# Allegro board BeagleBone_Black_RevC.brd (continued)
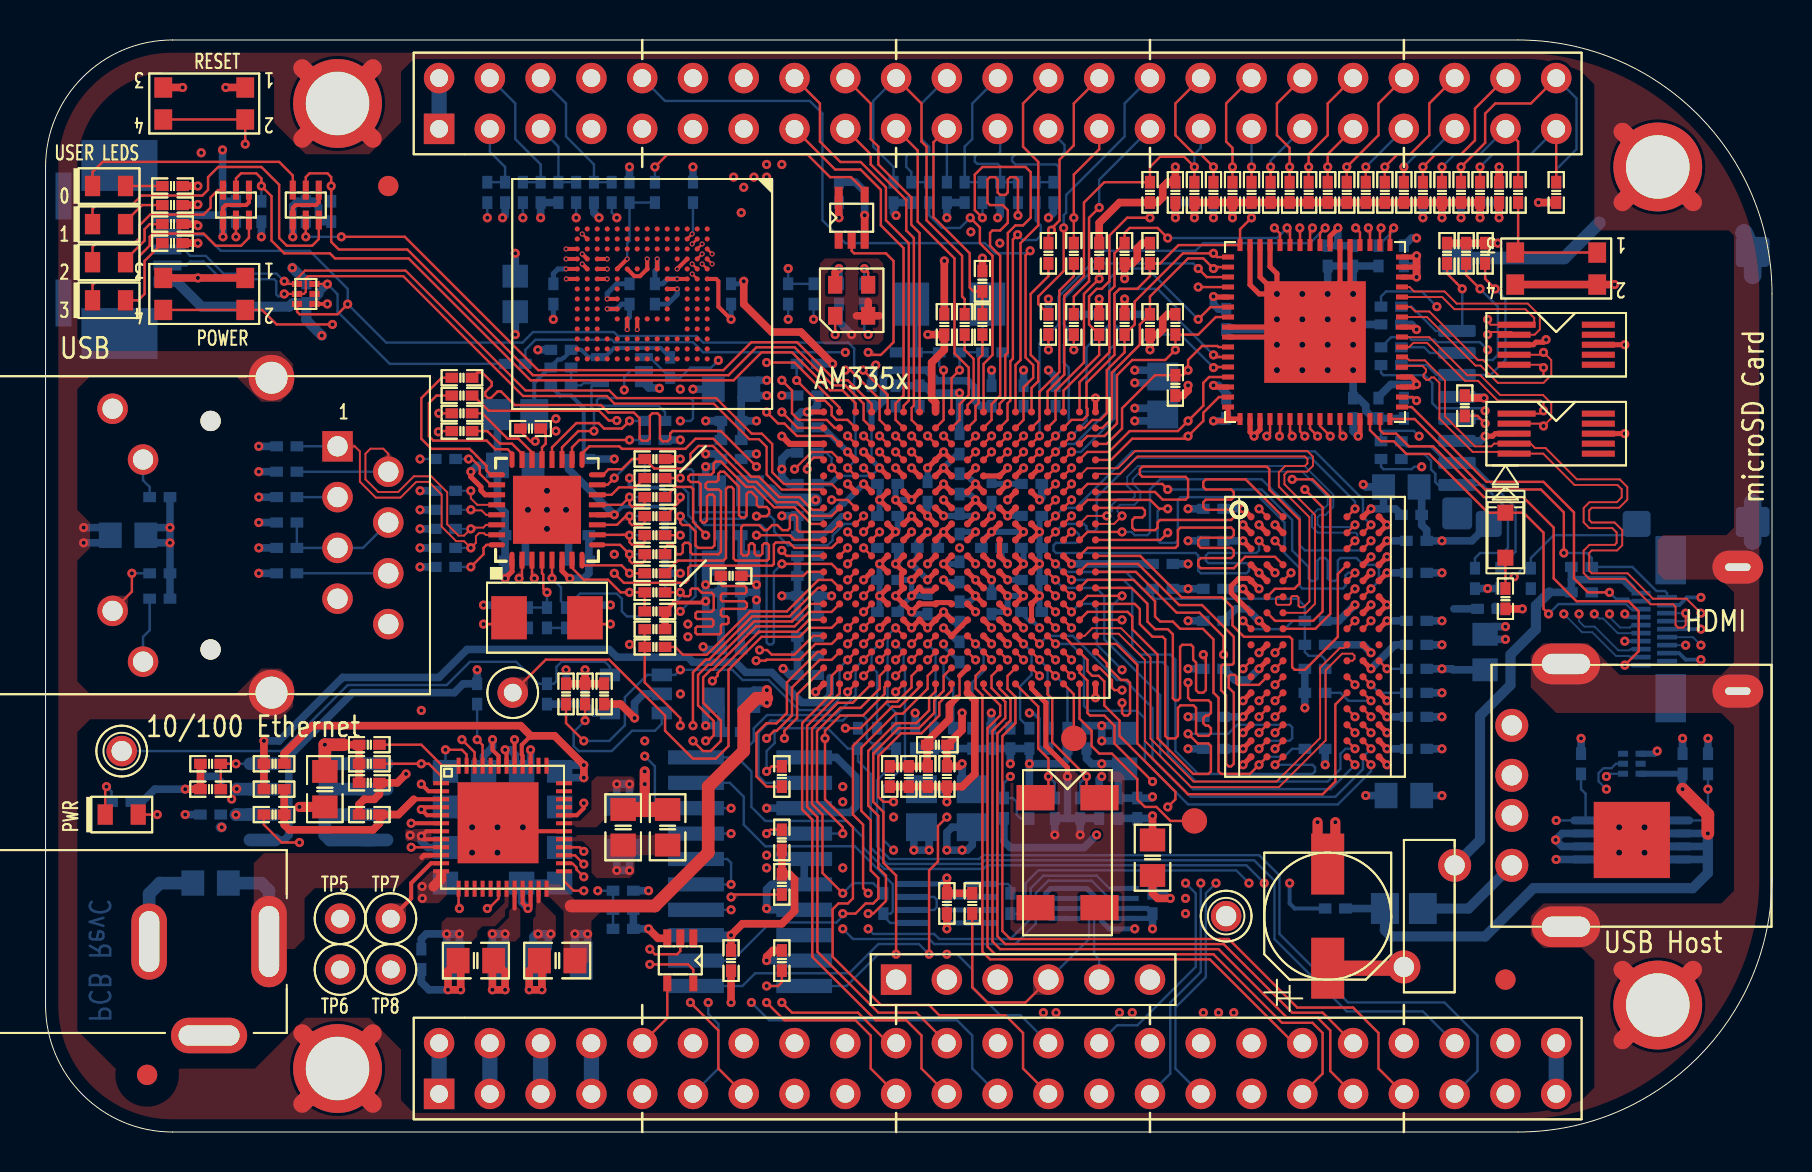
[diagram p0: board, top side]
## Routing (per net, layer and track width the routed paths; a pad name or vN(x,y) marks a point on that pad's centre or on a via; arc(x,y) is an arc through that point) (continued)
LCD_DATA3: length 44.2
  TOP w0.121: v1(58.42,38.86) 58.53,38.76 U11.11 ; v1(50.52,34.01) U5.R4 ; P8.44 71.5,51.18 71.5,49.59 70.8,48.9 69.53,48.9 v1(68.9,48.26) R92.1
  LYR3 w0.133: v1(68.9,48.26) 68.9,47.31 68.33,46.74 68.33,45.59 69.09,44.83 69.09,43.56 68.71,43.18 67.82,43.18 65.91,41.27 60.83,41.27 v1(58.42,38.86)
  BOTTOM w0.121: v1(50.52,34.01) 50.92,34.41 51.49,34.41 53.21,36.14 53.21,39.12 C170.1 53.47,40.39 53.47,41.91 53.72,42.16 55.63,42.16 56.64,41.15 56.64,40.64 v1(58.42,38.86) ; v1(68.9,48.26) R92.1
LCD_DATA4: length 32
  TOP w0.121: U11.10 58.67,39.25 58.62,39.31 57.85,39.31 57.15,38.61 v1(57.15,38.1) 56.9,37.85 C169.1 55.5,37.85 53.85,36.2 53.85,35.18 53.08,34.41 U5.T1 ; R91.1 v1(67.94,48.26)
  LYR3 w0.133: v1(57.15,38.1) 57.15,38.35 61.21,42.42 66.04,42.42 68.08,44.46 68.08,47.62 67.94,47.76 v1(67.94,48.26)
  BOTTOM w0.121: P8.41 69.22,48.9 68.58,48.9 v1(67.94,48.26) R91.1
LCD_DATA5: length 37.2
  TOP w0.121: P8.42 69.22,51.44 69.22,49.85 68.26,48.9 67.63,48.9 v1(66.99,48.26) R90.1 ; U5.T2 52.12,34.81 52.97,34.81 53.59,35.43 53.59,37.85 54.36,38.61 56.01,38.61 v1(56.52,39.12) C163.1 57.66,39.88 58.54,40.76 U11.7
  LYR3 w0.133: v1(66.99,48.26) 66.99,47.82 67.84,46.96 67.84,44.73 66.04,42.93 61.21,42.93 57.4,39.12 v1(56.52,39.12)
  BOTTOM w0.121: v1(66.99,48.26) R90.1
LCD_DATA6: length 34.1
  TOP w0.121: U11.6 58.27,41.25 v1(57.66,40.64) ; R89.1 v1(66.04,48.26) ; v1(51.32,34.81) U5.T3
  LYR3 w0.133: v1(57.66,40.64) 58.42,40.64 60.96,43.18 63.88,43.18 65.09,44.39 65.09,47.31 v1(66.04,48.26)
  BOTTOM w0.121: P8.39 v1(66.04,48.26) R89.1 ; v1(51.32,34.81) 52.07,35.56 52.07,39.24 C162.1 53.21,40.39 53.21,42.67 53.72,43.18 55.12,43.18 v1(57.66,40.64)
LCD_DATA7: length 43.4
  TOP w0.121: R88.1 v1(65.09,48.26) 66.67,49.85 66.67,51.44 P8.40 ; v1(50.52,34.81) U5.T4 ; v1(57.66,43.18) 58.08,42.76 U11.3
  LYR3 w0.133: v1(57.66,43.18) 57.02,43.81 57.02,48.51 57.53,49.02 58.17,49.02 58.93,49.78 58.93,50.67 59.82,51.56 66.8,51.56 P8.40
  BOTTOM w0.121: v1(57.66,43.18) 57.4,43.43 52.7,43.43 50.93,41.66 50.93,40.39 C161.1 50.93,39.37 50.93,38.48 51.18,38.23 51.18,35.47 v1(50.52,34.81) ; v1(65.09,48.26) R88.1
LCD_DATA8: length 31.9
  TOP w0.121: P8.37 64.14,48.9 v1(64.14,48.26) R87.1 ; U11.2 58.49,43.25 v1(58.42,43.18) 57.91,43.69 57.15,43.69 55.24,41.78 C160.1 54.74,40.39 54.74,39.37 53.34,37.97 53.34,35.69 52.86,35.21 U5.U1
  LYR3 w0.133: v1(58.42,43.18) 57.91,43.69 57.91,48.39 59.18,49.66 59.18,50.55 59.94,51.31 64.26,51.31 P8.37
  BOTTOM w0.121: v1(64.14,48.26) R87.1
LCD_DATA9: length 30.2
  TOP w0.121: U5.U2 51.96,35.21 52.36,35.61 52.75,35.61 53.09,35.94 53.09,38.1 53.98,38.99 C157.1 54.48,40.39 54.48,41.53 56.9,43.94 v1(58.42,43.94) 58.61,43.76 U11.1 ; P8.38 64.14,51.44 64.14,49.85 63.18,48.9 v1(63.18,48.26) R86.1
  LYR3 w0.133: v1(58.42,43.94) 58.93,44.45 58.93,48.51 59.56,49.15 62.36,49.15 63.18,48.32 v1(63.18,48.26)
  BOTTOM w0.121: v1(63.18,48.26) R86.1
LCD_DATA10: length 30
  TOP w0.121: v1(60.33,45.72) 59.75,45.14 U11.64 56.67,44.36 55.75,43.43 C156.1 55.24,42.8 54.61,42.16 53.72,42.16 53.47,41.91 53.47,38.86 52.07,37.47 52.07,36.22 52.12,36.17 52.12,35.85 51.88,35.61 51.32,35.61 U5.U3 ; P8.36 61.59,51.44 61.59,49.85 62.23,49.21 v1(62.23,48.26) R85.1
  LYR3 w0.133: v1(62.23,48.26) 61.59,48.9 61.01,48.9 61.01,48.9 60.2,48.9 59.82,48.51 59.82,47.88 60.33,47.37 v1(60.33,45.72)
  BOTTOM w0.121: v1(62.23,48.26) R85.1
LCD_DATA11: length 32.4
  TOP w0.121: U11.60 61.75,44.93 v1(61.47,45.21) ; U5.U4 50.52,35.61 50.52,37.06 51.94,38.48 51.94,41.91 v1(52.7,42.67) C168.1 ; P8.34 59.05,51.44 59.05,49.53 59.37,49.21 v1(59.37,48.26) R84.1
  LYR3 w0.133: v1(52.7,42.67) 53.21,43.18 56.9,43.18 57.4,42.67 59.82,42.67 61.47,44.32 v1(61.47,45.21) 60.07,45.21 59.82,45.47 59.82,47.12 59.37,47.56 v1(59.37,48.26)
  BOTTOM w0.121: v1(59.37,48.26) R84.1
LCD_DATA12: length 26.9
  TOP w0.121: U11.59 62.25,45.06 v1(62.1,45.21) ; U5.V2 51.72,37.5 53.21,38.99 53.21,42.04 53.47,42.29 53.47,43.94 C167.1 53.98,44.96 54.23,45.21 55.63,45.21 v1(56.13,44.7) ; R83.1 v1(61.28,48.26)
  LYR3 w0.133: v1(62.1,45.21) 61.28,46.04 v1(61.28,48.26)
  BOTTOM w0.121: v1(56.13,44.7) 61.59,44.7 v1(62.1,45.21) ; R83.1 v1(61.28,48.26) 61.28,48.58 P8.35
LCD_DATA13: length 30.4
  TOP w0.121: v1(62.74,45.21) 62.75,45.2 U11.58 ; R82.1 v1(60.33,48.26) ; v1(55.24,45.72) 54.1,45.72 53.21,44.83 53.21,42.55 52.83,42.16 52.58,42.16 52.2,41.78 52.2,40.39 C166.1 52.7,38.86 50.92,37.08 U5.V3
  LYR3 w0.133: v1(62.74,45.21) 61.72,46.23 61.72,48.39 61.45,48.67 61.11,48.67 61.1,48.66 60.73,48.66 v1(60.33,48.26)
  LYR4 w0.133: v1(55.24,45.72) 55.75,46.23 61.72,46.23 v1(62.74,45.21)
  BOTTOM w0.121: P8.33 v1(60.33,48.26) R82.1
LCD_DATA14: length 42
  TOP w0.121: R81.1 v1(57.47,48.26) 56.96,48.77 55.75,48.77 55.24,48.26 C165.1 52.96,47.5 51.94,46.48 51.94,42.8 50.96,41.82 50.96,37.88 50.12,37.04 U5.V4 ; U11.57 63.25,45.05 v1(63.37,45.21)
  LYR4 w0.133: v1(57.47,48.26) 58.1,48.9 66.17,48.9 66.55,48.51 66.55,47.75 68.08,46.22 68.08,44.84 67.44,44.2 64.39,44.2 v1(63.37,45.21)
  BOTTOM w0.121: P8.31 57.78,49.21 57.47,48.9 v1(57.47,48.26) R81.1
LCD_DATA15: length 46.8
  TOP w0.121: U11.56 63.75,44.95 v1(64.01,45.21) ; v1(49.72,34.81) U5.T5 ; P8.32 56.52,51.44 56.52,49.85 57.47,48.9 57.78,48.9 v1(58.42,48.26) R80.1
  LYR4 w0.133: v1(64.01,45.21) 64.77,44.45 67.31,44.45 67.84,44.98 67.84,45.82 65.91,47.75 58.93,47.75 v1(58.42,48.26)
  BOTTOM w0.121: v1(49.72,34.81) 49.72,39.43 C164.1 50.67,40.39 50.67,41.78 52.96,44.07 57.53,44.07 57.91,44.45 63.25,44.45 v1(64.01,45.21) ; v1(58.42,48.26) R80.1
LCD_DE: length 31.5
  TOP w0.121: v1(50.93,45.21) 50.93,43.05 49.66,41.78 49.66,41.4 R48.2 ; v1(61.09,34.8) 61.25,34.96 U11.20
  LYR4 w0.133: v1(61.09,34.8) 59.18,36.7 59.18,39.69 57.6,41.27 57.02,41.27 53.47,44.83 51.31,44.83 v1(50.93,45.21)
  BOTTOM w0.121: 55.24,52.7 53.98,51.44 53.98,49.78 51.05,46.86 51.05,45.97 50.93,45.85 v1(50.93,45.21)
LCD_HSYNC: length 28.4
  TOP w0.121: v1(52.7,46.23) 52.2,45.72 52.2,42.55 51.44,41.78 R47.2 ; v1(62.36,34.8) 62.25,34.9 U11.22
  LYR4 w0.133: v1(62.36,34.8) 60.2,36.96 60.2,40.77 58.23,42.74 57.09,42.74 53.59,46.23 v1(52.7,46.23)
  BOTTOM w0.121: v1(52.7,46.23) 52.7,47.62 55.24,50.16
LCD_PCLK: length 20.3
  TOP w0.121: v1(57.66,42.25) U11.4 ; R45.2 50.16,44.96 50.3,45.1 v1(50.32,45.1) 50.32,45.18 50.72,45.58 50.72,48.62 51.44,49.34 51.44,51.44 P8.28
  LYR4 w0.133: v1(57.66,42.25) 57.06,42.25 53.72,45.59 52.32,45.59 51.69,46.23 51.31,46.23 50.52,45.44 50.52,45.37 50.32,45.17 v1(50.32,45.1)
LCD_VSYNC: length 23.6
  TOP w0.121: U11.21 61.75,34.83 v1(61.72,34.8) ; P8.27 52.7,49.15 51.44,47.88 v1(51.44,45.72) R46.2
  LYR4 w0.133: v1(51.44,45.72) 51.94,45.21 53.59,45.21 57.15,41.66 57.78,41.66 59.69,39.75 59.69,36.83 v1(61.72,34.8)
LCDDE: length 6.9
  TOP w0.121: v1(48.92,34.01) U5.R6 ; R48.1 v1(50.16,39.12)
  LYR3 w0.121: 49.32,35.18 49.32,34.41 v1(48.92,34.01)
  LYR3 w0.133: 49.32,35.18 49.53,35.39 49.53,38.48 v1(50.16,39.12)
LCDPCLK: length 8.1
  TOP w0.121: R45.1 50.16,42.8 49.28,41.91 49.28,38.86 49.66,38.48 49.66,37.55 49.32,37.21 U5.V5
LCDVHYNC: length 7.1
  TOP w0.121: v1(49.72,34.01) U5.R5 ; v1(51.44,39.12) R47.1
  LYR3 w0.121: v1(49.72,34.01) 50.12,34.41 50.12,35.13
  LYR3 w0.133: v1(51.44,39.12) 51.44,36.45 50.12,35.13
LCDVSYNC: length 9.1
  TOP w0.121: U5.U5 49.72,35.61 49.72,37.02 50.71,38.01 50.71,42.08 51.44,42.8 R46.1
LDO_PGOOD: length 35.9
  TOP w0.121: U2.46 21.46,18.99 v1(20.83,19.62) ; U5.B5 v1(49.72,22.81)
  LYR3 w0.133: v1(49.72,22.81) 49.72,20.51 48.64,19.43 43.81,19.43 43.18,18.8 38.86,18.8 37.57,20.09 34.9,20.09 33.53,21.46 27.05,21.46 25.91,20.32 21.53,20.32 v1(20.83,19.62)
LEDAA: length 1.8
  TOP w0.121: R72.2 D2.2
LEDAC: length 11.9
  TOP w0.121: Q1.6 12.37,47.83 11.68,48.51 2.86,48.51 2.35,48.01 D2.1
LEDBA: length 2.3
  TOP w0.121: R73.2 4.83,46.35 4,45.53 D3.2
LEDBC: length 17.6
  TOP w0.121: Q1.3 13.67,44.66 13.34,44.32 12.06,44.32 11.68,44.7 11.68,47.37 10.79,48.26 8.64,48.26 8.13,47.75 8.13,47.12 7.84,46.83 4.79,46.83 4.32,46.35 2.54,46.35 2.35,46.16 D3.1
LEDCA: length 3
  TOP w0.121: D4.2 4,43.62 4.95,44.58 4.95,45.15 5.21,45.4 R74.2
LEDCC: length 9.1
  TOP w0.121: D4.1 2.35,44.26 2.54,44.45 4.45,44.45 4.7,44.7 4.7,45.34 5.24,45.88 7.91,45.88 8.26,46.23 8.26,46.74 8.62,47.11 Q2.6
LEDDA: length 4
  TOP w0.121: D5.2 4.64,41.59 4.95,41.91 4.95,43.56 R71.2
LEDDC: length 11.8
  TOP w0.121: Q2.3 10.17,44.72 9.78,44.32 8.51,44.32 7.91,44.93 5.37,44.93 5.21,44.77 5.21,44.32 4.7,43.81 4.7,42.8 4.45,42.55 2.54,42.55 2.35,42.35 D5.1
MDIO_CLK: length 14.3
  TOP w0.121: U5.M18 38.82,31.11 38.35,31.11 37.72,31.75 36.7,31.75 35.69,32.77 35.31,32.77 33.4,34.67 32.51,34.67 32,34.16 28.83,34.16 28.7,34.29 27.2,34.29 26.83,33.92 U14.17
MDIO_DATA: length 15
  TOP w0.121: U14.16 27.89,32.87 28.17,33.15 28.83,33.15 29.34,33.66 R119.2 30.45,33.18 31.97,33.18 32.26,33.46 32.26,33.91 32.66,34.31 33.38,34.31 35.18,32.51 35.56,32.51 36.58,31.5 37.59,31.5 38.28,30.81 39.32,30.81 U5.M17
MII1_COL: length 24.2
  TOP w0.121: v1(40.12,27.61) U5.H16
  LYR3 w0.133: v1(40.12,27.61) 39.79,27.94 32.64,27.94 32.51,27.81 32.51,26.67 32.38,26.54 29.84,26.54 29.72,26.42 29.72,25.27 29.84,25.15 30.86,25.15 30.99,25.27 30.99,25.91 31.11,26.04 v1(31.75,26.04)
  BOTTOM w0.121: R138.1 31.43,32.26 31.84,32.26 32.15,31.95 32.15,30.84 32.51,30.48 32.51,26.8 v1(31.75,26.04)
MII1_CRS_DV: length 25.6
  TOP w0.121: R139.1 v1(31.75,32.7) ; U5.H17 39.32,28.41 v1(36.83,28.41)
  BOTTOM w0.121: v1(31.75,32.7) 31.75,33.05 31.85,33.15 32.3,33.15 32.4,33.05 32.4,31.09 32.5,30.99 34.95,30.99 35.05,30.89 35.05,30.77 34.95,30.67 32.96,30.67 32.86,30.57 32.86,30.45 32.96,30.35 35.81,30.35 36.07,30.1 36.07,24.49 36.17,24.38 36.33,24.38 36.43,24.49 36.43,28.01 v1(36.83,28.41)
MII1_REFCLK: length 18
  TOP w0.121: R124.1 v1(31.75,26.99) 31.94,26.8 32.18,26.8 32.26,26.87 32.26,27.1 32.33,27.18 32.62,27.18 32.83,26.97 33.32,26.97 33.42,26.87 33.42,26.12 33.32,26.02 32.59,26.02 32.51,25.94 32.51,25.73 32.59,25.65 33.32,25.65 33.4,25.58 33.4,25.35 33.32,25.27 32.59,25.27 32.51,25.2 32.51,24.97 32.59,24.89 33.71,24.89 33.78,24.97 33.78,25.32 33.86,25.4 34.09,25.4 34.16,25.48 34.16,25.7 34.09,25.78 33.86,25.78 33.78,25.86 33.78,26.09 33.86,26.16 34.98,26.16 35.08,26.27 35.08,26.44 34.98,26.54 33.86,26.54 33.78,26.62 33.78,26.85 33.86,26.92 34.98,26.92 35.05,27 35.05,27.23 34.98,27.3 33.86,27.3 33.78,27.38 R28.2
  BOTTOM w0.121: v1(31.75,26.99) 31.75,26.73 31.05,26.04 R140.1
MII1_RXCLK: length 23.8
  TOP w0.121: U5.L18 38.3,30.41 37.47,31.24 36.45,31.24 35.43,32.26 35.05,32.26 33.78,33.53 33.53,33.53 33.42,33.42 33.42,33 33.29,32.87 32.26,32.87 32.15,32.77 32.15,32.63 32.28,32.51 32.66,32.51 32.77,32.4 32.77,30.58 32.87,30.48 32.98,30.48 33.08,30.58 33.08,31.78 33.19,31.88 33.36,31.88 33.46,31.78 33.46,29.34 33.34,29.21 32.64,29.21 32.51,29.34 32.51,30.04 32.19,30.35 31.85,30.35 31.75,30.45 v1(31.75,30.8)
  BOTTOM w0.121: v1(31.75,30.8) 32.26,30.29 32.26,27.81 31.88,27.43 31.11,27.43 30.99,27.3 R131.1
MII1_RXD0: length 24.3
  TOP w0.121: v1(39.32,31.61) 40.12,31.61 U5.M16 ; v1(31.75,31.75) 31.75,31.56 R128.1
  LYR3 w0.133: v1(39.32,31.61) 38.91,32.02 32.64,32.02 32.36,32.3 31.37,32.3 31.24,32.42 31.24,33.02 31.37,33.15 32.28,33.15 32.38,33.25 32.38,34.06 32.28,34.16 31.37,34.16 31.24,34.29 31.24,34.92 31.37,35.05 32.28,35.05 32.38,35.15 32.38,35.97 32.28,36.07 30.96,36.07 30.86,35.97 30.86,31.85 30.96,31.75 v1(31.75,31.75)
MII1_RXD1: length 24.1
  TOP w0.121: U5.L15 v1(40.92,30.01) ; R127.1 v1(31.75,29.84)
  LYR3 w0.121: 39.75,29.61 40.52,29.61 v1(40.92,30.01)
  LYR3 w0.133: 39.75,29.61 38.82,29.61 37.19,31.24 35.26,31.24 35.15,31.14 35.15,30.68 35.08,30.61 34.9,30.61 34.8,30.71 34.8,31.14 34.7,31.24 34.52,31.24 34.42,31.14 34.42,30.71 34.32,30.61 34.14,30.61 34.04,30.71 34.04,31.14 33.93,31.24 33.76,31.24 33.66,31.14 33.66,30.71 33.55,30.61 33.38,30.61 33.27,30.71 33.27,31.14 33.17,31.24 32.99,31.24 32.89,31.14 32.89,30.86 32.26,30.23 32.26,29.72 31.88,29.34 30.1,29.34 29.62,29.82 29.62,31.88 29.74,32 29.97,32 30.1,31.88 30.1,30.23 30.23,30.1 31.5,30.1 v1(31.75,29.84)
MII1_RXD2: length 24.1
  TOP w0.121: v1(35.56,30.8) 36.07,30.8 36.2,30.92 36.2,31.13 36.07,31.26 35.68,31.26 35.58,31.36 35.58,31.74 35.31,32.01 35.17,32.01 35.07,31.91 35.07,30.85 34.96,30.73 34.8,30.73 34.69,30.85 34.69,32.27 33.94,33.02 33.76,33.02 33.66,32.92 33.66,32.61 33.55,32.51 33.12,32.51 33.02,32.41 33.02,32.23 33.12,32.13 33.68,32.13 33.78,32.03 33.78,29.02 33.66,28.89 32.36,28.89 32.26,28.99 32.26,29.36 32.16,29.46 31.98,29.46 31.88,29.36 31.88,28.99 31.78,28.89 31.6,28.89 31.5,28.99 31.5,29.24 31.39,29.34 31.09,29.34 30.99,29.24 R126.1 ; U5.L16 v1(40.92,30.81)
  BOTTOM w0.121: v1(35.56,30.8) 36.26,30.8 36.45,30.61 36.45,30.03 37.14,29.34 39.12,29.34 39.37,29.59 39.37,29.83 39.95,30.41 U5.L16 v1(40.92,30.81)
MII1_RXD3: length 24.4
  TOP w0.121: U5.L17 39.32,30.01 37.69,30.01 37.59,30.11 37.59,30.76 37.49,30.86 37.31,30.86 37.23,30.78 37.23,30.2 37.13,30.1 36.86,30.1 36.6,30.35 36.35,30.35 36.09,30.1 35.94,30.1 35.69,30.35 34.9,30.35 34.8,30.25 34.8,28.93 34.9,28.83 35.08,28.83 35.18,28.93 35.18,29.34 35.28,29.45 35.36,29.45 35.47,29.34 35.47,28.93 35.57,28.83 35.76,28.83 35.86,28.93 35.86,29.34 35.96,29.45 36.09,29.45 36.18,29.36 36.18,28.66 36.09,28.57 34.52,28.57 34.42,28.68 34.42,32.16 34.32,32.26 34.14,32.26 34.04,32.16 34.04,28.7 33.91,28.57 31.62,28.57 R125.1
MII1_RXDV: length 25.8
  TOP w0.121: U5.J17 v1(40.12,29.21)
  LYR3 w0.133: v1(18.73,33.66) 19.86,32.52 21.58,32.52 24.77,29.34 29.59,29.34 29.84,29.08 32,29.08 32.61,29.69 32.61,30.07 32.89,30.35 37.59,30.35 38.73,29.21 v1(40.12,29.21)
  BOTTOM w0.121: v1(18.73,33.66) R129.1
MII1_RXERR: length 24.3
  TOP w0.121: U5.J15 v1(40.92,29.21) ; v1(33.02,29.84) 33.02,29.88 32.39,30.51 32.39,32.16 32.29,32.26 31.5,32.26 R133.1
  LYR3 w0.121: v1(40.92,29.21) 40.52,28.81 39.86,28.81
  LYR3 w0.133: v1(33.02,29.84) 33.02,28.57 33.15,28.45 33.55,28.45 33.66,28.55 33.66,30 33.76,30.1 33.93,30.1 34.04,30 34.04,28.55 34.14,28.45 34.44,28.45 34.54,28.55 34.54,30 34.65,30.1 34.82,30.1 34.92,30 34.92,28.55 35.03,28.45 35.2,28.45 35.31,28.55 35.31,29.24 35.41,29.34 35.59,29.34 35.69,29.24 35.69,28.55 35.79,28.45 35.94,28.45 36.07,28.57 36.07,29.87 36.17,29.97 37.47,29.97 37.57,29.87 37.57,28.96 37.72,28.81 39.86,28.81
MII1_TXCLK: length 22.4
  TOP w0.121: v1(35.56,29.84) 37.23,29.84 37.47,29.61 U5.K18
  LYR5_PWR w0.121: v1(35.56,29.84) 36.07,30.35 36.07,32.13 33.4,34.8 32.51,34.8 v1(31.75,35.56)
  BOTTOM w0.121: R134.1 30.99,36 30.67,36.32 27.69,36.32 27.58,36.43 27.58,36.6 27.69,36.7 32.26,36.7 32.38,36.58 32.38,35.68 32.26,35.56 v1(31.75,35.56)
MII1_TXD0: length 28
  TOP w0.121: U5.K17 39.32,29.21 37.47,29.21 37.19,29.48 36.53,29.48 36.43,29.38 36.43,28.4 36.35,28.32 32.26,28.32 32.15,28.21 32.15,27.61 32,27.46 28.92,27.46 v1(28.45,27.94) ; R39.1 v1(19.67,35.94)
  LYR4 w0.133: v1(19.67,35.94) 20.95,35.94 22.35,34.54 22.35,31.62 25.53,28.45 27.94,28.45 v1(28.45,27.94)
MII1_TXD1: length 28
  TOP w0.121: v1(40.12,30.01) U5.K16 ; R40.1 19.68,35.05 v1(19.65,35.02)
  LYR3 w0.133: v1(40.12,30.01) 38.82,30.01 37.34,31.5 32.64,31.5 32.16,31.01 32.16,30.63 31.92,30.39 30.48,30.39 30.35,30.52 30.35,32.98 30.23,33.11 27.27,33.11 27.14,33.24 27.14,33.39 27,33.53 26.74,33.53 26.6,33.39 26.6,33.24 26.47,33.11 26.2,33.11 26.07,33.24 26.07,33.39 25.94,33.53 25.67,33.53 25.54,33.39 25.54,33.24 25.4,33.11 25.14,33.11 25,33.24 25,33.39 24.87,33.53 24.6,33.53 24.47,33.39 24.47,33.24 24.34,33.11 23.79,33.11 21.84,35.05 20.07,35.05 20.03,35.02 v1(19.65,35.02)
MII1_TXD2: length 28.2
  TOP w0.121: v1(28.57,35.58) 28.18,35.58 27.69,36.07 22.16,36.07 21.4,36.83 R41.1 ; U5.K15 v1(41.72,30.01)
  LYR3 w0.121: v1(41.72,30.01) 41.72,30.01 41.32,30.41 39.88,30.41
  LYR3 w0.133: 39.88,30.41 38.93,30.41 37.59,31.75 32.51,31.75 32.03,31.27 30.71,31.27 30.61,31.37 30.61,36.32 30.48,36.45 28.71,36.45 28.57,36.32 v1(28.57,35.58)
MII1_TXD3: length 28
  TOP w0.121: R42.1 21.59,37.97 21.84,37.97 22.32,37.5 22.32,37.33 22,37 22,36.83 22.12,36.71 22.29,36.71 22.61,37.03 22.78,37.03 23.46,36.35 27.78,36.35 28.16,35.98 29.43,35.98 29.72,35.69 29.72,34.69 29.84,34.57 30.11,34.57 30.23,34.69 30.23,35.81 30.35,35.94 30.61,35.94 30.73,35.81 30.73,34.67 30.86,34.54 31.11,34.54 31.24,34.67 31.24,34.93 31.36,35.05 33.78,35.05 v1(35.56,33.27) ; v1(36.83,29.08) 36.83,29.06 37.08,28.81 U5.J18
  LYR5_PWR w0.121: v1(36.83,29.08) 36.32,29.59 36.32,32.51 v1(35.56,33.27)
MII1_TXEN: length 28.4
  TOP w0.121: v1(24.49,34.54) 24.26,34.54 23.75,35.05 23.75,35.18 ; v1(40.12,28.41) U5.J16
  LYR3 w0.133: v1(28.45,28.89) 26.9,28.89 26.8,28.79 26.8,27.56 26.92,27.43 32.13,27.43 32.26,27.56 32.26,28.07 32.38,28.19 36.2,28.19 36.32,28.32 36.32,29.46 36.45,29.59 37.24,29.59 37.34,29.49 37.34,28.51 37.44,28.41 v1(40.12,28.41)
  LYR4 w0.133: v1(24.49,34.54) 24.9,34.54 26.92,32.52 26.92,30.42 v1(28.45,28.89)
MMC0_CD: length 73.7
  TOP w0.121: v1(40.92,23.61) U5.C15
  LYR4 w0.133: v1(73.46,27.77) 71.63,25.93 71.63,17.91 67.69,13.97 62.48,13.97 v1(60.96,12.45)
  BOTTOM w0.121: 34.61,18.73 35.31,18.03 35.31,16.26 36,15.56 40.07,15.56 40.89,14.73 40.89,14.22 41.96,13.16 46.91,13.16 47.09,13.34 60.07,13.34 v1(60.96,12.45) ; 34.61,18.73 35.42,19.55 35.42,20.18 36.09,20.85 39.53,20.85 40.52,21.84 40.52,23.21 v1(40.92,23.61) ; 34.61,18.73 P2.19 ; P10.10 79.43,30.41 78.87,29.84 75.44,29.84 74.3,28.7 R157.1 73.89,28.19 v1(73.46,27.77)
MMC0_CLKO: length 10.6
  TOP w0.121: R16.1 31.49,24.26 31.88,23.87 32.92,23.87 32.92,23.87 33.08,23.87 35.24,26.04 37.08,26.04 38.66,27.61 39.32,27.61 U5.G17
MMC0_CMD: length 83.3
  TOP w0.121: v1(32.38,20.32) 32.38,22.99 33.02,23.62 33.18,23.62 35.34,25.78 37.21,25.78 38.64,27.21 U5.G18
  LYR3 w0.133: v1(32.38,20.32) 31.98,19.91 31.98,19.33 34.04,17.27 38.61,17.27 39.37,18.03 44.96,18.03 45.21,17.78 46.61,17.78 48.39,16 53.34,16 54.25,15.09 65.95,15.09 68.9,18.03 68.9,26.48 68.45,26.92 68.45,31.75 66.93,33.27 66.93,35.69 67.33,36.09 71.61,36.09 71.62,36.07 v1(72.01,36.07)
  BOTTOM w0.121: v1(72.01,36.07) 71.88,36.2 69.62,36.2 69.37,36.45 69.37,37.45 68.97,37.85 66.92,37.85 66.8,37.97 R15.1
MMC0_DAT0: length 66.3
  TOP w0.121: v1(40.12,26.81) U5.G16
  LYR3 w0.133: v1(39.88,16.51) 40.39,17.02 45.85,17.02 48.51,14.35 66.74,14.35 70.99,18.61 70.99,32.51 v1(68.71,34.8)
  LYR4 w0.133: v1(39.88,16.51) 38.35,18.03 38.35,18.46 38.35,18.47 38.35,21.47 38.1,21.72 38.1,22.23 38.35,22.48 38.35,22.49 38.36,22.5 38.36,25.25 39.92,26.81 v1(40.12,26.81)
  BOTTOM w0.121: R31.1 66.8,34.93 66.94,35.07 68.44,35.07 v1(68.71,34.8)
MMC0_DAT1: length 63.3
  TOP w0.121: v1(40.92,26.81) U5.G15
  LYR3 w0.133: v1(39.88,17.27) 46.1,17.27 47.88,15.49 52.58,15.49 53.47,14.61 66.48,14.61 70.61,18.73 70.61,31.49 v1(68.83,33.27)
  LYR4 w0.121: v1(40.92,26.81) 40.52,26.41 39.95,26.41 39.74,26.19
  LYR4 w0.133: v1(39.88,17.27) 38.58,18.57 38.58,20.86 38.93,21.21 38.93,25.39 39.74,26.19
  BOTTOM w0.121: R32.1 66.8,33.27 66.92,33.15 68.34,33.15 68.46,33.27 v1(68.83,33.27)
MMC0_DAT2: length 79
  TOP w0.121: U5.F18 38.22,26.41 37.34,25.53 35.44,25.53 33.28,23.37 33.15,23.37 32.64,22.86 32.64,21.34 33.42,20.56 33.42,19.83 33.15,19.56 v1(33.02,19.56)
  LYR3 w0.133: v1(69.6,41.27) 69.6,40.26 66.17,36.83 66.17,32.89 67.69,31.37 67.69,26.54 68.26,25.97 68.26,18.41 66.1,16.26 63.12,16.26 62.48,15.62 56.19,15.62 55.56,16.26 54.36,16.26 53.85,16.76 48.64,16.76 46.23,19.18 44.07,19.18 43.43,18.54 34.04,18.54 v1(33.02,19.56)
  BOTTOM w0.121: v1(69.6,41.27) 68.83,42.04 67.06,42.04 66.8,41.78 R2.1
MMC0_DAT3: length 85.7
  TOP w0.121: U5.F17 39.32,26.01 38.19,26.01 37.47,25.29 35.55,25.29 33.37,23.11 33.27,23.11 32.89,22.73 32.89,21.46 33.78,20.57 33.78,19.56 33.27,19.05 32.89,19.05 v1(32.38,19.56)
  LYR3 w0.133: v1(32.38,19.56) 34.42,17.53 38.35,17.53 39.12,18.29 43.69,18.29 44.32,18.92 45.97,18.92 48.64,16.26 53.72,16.26 54.61,15.37 62.74,15.37 63.37,16 66.36,16 68.58,18.22 68.58,26.16 68.07,26.67 68.07,31.5 66.55,33.02 66.55,36.7 68.96,39.12 v1(72.14,39.12)
  BOTTOM w0.121: v1(72.14,39.12) 71.75,39.5 69.6,39.5 69.47,39.62 68.33,39.62 68.2,39.75 67.31,39.75 R13.1
MMC1_CLK: length 49.8
  TOP w0.121: P8.21 44.41,49.49 44.41,45.76 46.23,43.94 46.23,42.23 46.42,42.04 C175.1 R35.2
  TOP w0.203: U13.M6 v2(28.09,42.66)
  LYR4 w0.133: v2(28.09,42.66) 28.84,42.66 29.08,42.42 29.08,41.02 29.21,40.89 29.46,40.89 29.59,41.02 29.59,42.8 29.72,42.93 29.97,42.93 30.1,42.79 30.1,41.03 30.23,40.89 30.47,40.89 30.61,41.03 30.61,42.93 31.11,43.43 31.11,44.73 31.62,45.24 35.21,45.24 37.85,47.88 38.69,47.88 38.82,48.01 38.82,48.76 38.95,48.9 39.22,48.9 39.35,48.76 39.35,48.01 39.49,47.88 39.75,47.88 39.89,48.01 39.89,48.76 40.02,48.9 40.29,48.9 40.42,48.76 40.42,48.01 40.55,47.88 40.89,47.88 41.02,48.01 41.02,48.77 41.15,48.9 41.4,48.9 41.53,48.77 41.53,47.87 41.65,47.75 43.31,47.75 43.43,47.88 43.43,49.15 43.56,49.28 43.81,49.28 43.94,49.15 43.94,48.51 44.07,48.39 44.26,48.39 44.41,48.53 44.41,49.49 P8.21
  BOTTOM w0.121: P8.21 R110.2
MMC1_CMD: length 39.2
  TOP w0.121: R36.2 45.97,41.66 45.85,41.78 45.85,43.81 44.07,45.59 44.07,49.28 43.81,49.53 43.81,51.44 P8.20
  TOP w0.203: U13.M5 v2(28.09,43.16)
  LYR4 w0.133: P8.20 41.27,51.44 39.24,51.44 38.73,50.93 38.73,49.28 37.72,48.26 37.72,48.26 35.03,45.57 30.5,45.57 v2(28.09,43.16)
  BOTTOM w0.121: R109.2 42.42,48.26 41.4,49.28 41.4,51.56 P8.20
MMC1_DAT0: length 37.3
  TOP w0.121: U13.A3 v2(33.34,43.91)
  LYR4 w0.133: P8.25 50.16,49.21 49.47,48.51 46.52,48.51 46.39,48.38 46.39,48.1 46.55,47.94 47.87,47.94 48.07,47.75 48.07,47.56 47.88,47.37 45.34,47.37 44.45,46.48 44.45,45.09 44.2,44.83 39.16,44.83 39.02,44.96 39.02,45.84 38.89,45.97 38.62,45.97 38.49,45.84 38.49,44.96 38.36,44.83 38.09,44.83 37.96,44.96 37.96,45.84 37.82,45.97 37.56,45.97 37.42,45.84 37.42,44.96 37.29,44.83 36.32,44.83 35.4,43.91 v2(33.34,43.91)
  BOTTOM w0.121: P8.25 50.97,49.36 50.97,49.02 50.85,48.9 48.51,48.9 48.35,48.73 48.35,48.56 48.51,48.39 50.55,48.39 50.67,48.27 50.67,47.75 R101.2 R43.2
MMC1_DAT1: length 33.7
  TOP w0.121: U13.A4 v2(33.34,43.41)
  LYR4 w0.133: v2(33.34,43.41) 36.04,43.41 37.08,44.45 44.7,44.45 45.72,45.47 45.72,45.85 46.61,46.74 47.88,46.74 49.21,48.07 49.85,48.07 51.31,49.53 51.31,50.93 50.8,51.44 49.85,51.44 48.58,52.7 P8.24
  BOTTOM w0.121: P8.24 46.35,51.44 46.35,49.66 45.97,49.28 R102.2 R44.2
MMC1_DAT2: length 15.2
  TOP w0.121: U13.A5 v2(32.84,43.41)
  LYR3 w0.133: P8.5 26.42,48.51 27.74,48.51 v2(32.84,43.41)
  BOTTOM w0.121: P8.5 25.65,49.28 R103.2 R168.2
MMC1_DAT3: length 19.8
  TOP w0.121: U13.B2 v2(32.34,44.41)
  LYR3 w0.133: v2(32.34,44.41) 27.86,48.9 26.54,48.9 26.04,49.4 26.04,51.44 P8.6
  BOTTOM w0.121: R169.2 R104.2 27.43,48.39 26.04,49.78 26.04,51.44 P8.6
MMC1_DAT4: length 29.2
  TOP w0.121: U13.B3 v2(32.85,44.41)
  LYR4 w0.133: P8.23 46.86,50.93 46.36,50.93 46.23,50.79 46.23,49.72 43.37,46.86 42.86,46.86 42.73,47 42.73,47.24 42.6,47.37 42.33,47.37 42.2,47.24 42.2,47 42.06,46.86 41.8,46.86 41.66,47 41.66,47.36 41.53,47.5 41.26,47.5 41.13,47.36 41.13,47 41,46.86 40.73,46.86 40.6,47 40.6,47.36 40.46,47.5 40.2,47.5 40.06,47.36 40.06,47 39.93,46.86 39.66,46.86 39.53,47 39.53,47.36 39.4,47.5 39.13,47.5 39,47.36 39,47 38.86,46.86 38.6,46.86 38.46,47 38.46,47.36 38.33,47.5 38.06,47.5 37.93,47.36 37.93,47 37.8,46.86 37.34,46.86 35.31,44.83 33.27,44.83 v2(32.85,44.41)
  BOTTOM w0.121: R170.2 R105.2 47.75,48.29 47.63,48.42 46.6,48.42 46.48,48.54 46.48,48.78 46.6,48.9 47.63,48.9 47.75,49.02 47.75,50.04 P8.23
MMC1_DAT5: length 37.4
  TOP w0.121: U13.B4 v2(32.85,43.91)
  LYR4 w0.133: P8.22 46.35,51.44 48.77,51.44 49.02,51.18 49.02,49.41 48.76,49.15 46.48,49.15 43.69,46.35 43.69,45.34 43.56,45.21 43.31,45.21 43.18,45.34 43.18,46.35 43.05,46.48 41.66,46.48 41.53,46.35 41.53,45.47 41.27,45.21 40.51,45.21 40.26,45.47 40.26,46.35 40.13,46.48 37.47,46.48 35.31,44.32 33.26,44.32 v2(32.85,43.91)
  BOTTOM w0.121: P8.22 43.81,51.44 43.81,49.66 44.2,49.28 44.2,49.03 44.08,48.91 43.17,48.91 43.05,48.79 43.05,48.26 43.31,48.01 R106.2 R171.2
MMC1_DAT6: length 17.1
  TOP w0.121: U13.B5 v2(32.35,43.41)
  LYR3 w0.133: P8.3 23.24,49.15 25.27,49.15 26.29,48.13 27.62,48.13 v2(32.35,43.41)
  BOTTOM w0.121: P8.3 22.23,49.02 22.99,48.26 R107.2 R172.2
MMC1_DAT7: length 25.1
  TOP w0.121: U13.B6 v2(32.35,42.91)
  LYR3 w0.133: v2(32.35,42.91) 27.5,47.75 26.16,47.75 25.14,48.77 21.97,48.77 21.08,49.66 21.08,51.56 P8.4
  BOTTOM w0.121: P8.4 23.5,51.44 23.5,49.66 24.77,48.39 R108.2 R173.2
MODE2: length 3.9
  TOP w0.121: U14.15 28.11,32.37 v1(28.45,32.7)
  BOTTOM w0.121: v1(28.45,32.7) 29.4,33.66 R113.1 R138.2
OSC0_IN: length 6.8
  TOP w0.121: v1(45.72,38.1) 45.32,37.7 U5.V10
  BOTTOM w0.121: v1(45.72,38.1) R17.1 C25.1 46.86,41.15 Y2.2
OSC0_OUT: length 7.7
  TOP w0.121: U5.U11 44.92,35.61 v1(44.92,38.1)
  BOTTOM w0.121: v1(44.92,38.1) 44.7,38.32 R17.2 C26.1 43.56,41.15 Y2.1
OSC1_IN: length 8.1
  TOP w0.121: Y1.1 49.93,16.72 50.16,16.95 v1(50.16,17.78) 50.16,18.67 49.66,19.18 49.66,21.27 U5.A6
  BOTTOM w0.121: C21.2 50.48,17.46 v1(50.16,17.78)
OSC1_OUT: length 8.2
  TOP w0.121: Y1.4 52.31,16.72 52.07,16.95 v1(52.07,17.78) 50.36,19.49 50.36,21.65 50.12,21.89 U5.A4
  BOTTOM w0.121: C22.2 51.75,17.46 v1(52.07,17.78)
P_BYPASS: length 2.8
  TOP w0.121: U2.47 21.06,18.88 20.83,19.11 v1(20,19.11)
  BOTTOM w0.121: C4.2 v1(20,19.11)
P_INT_LDO: length 4.4
  TOP w0.121: C3.2 18.8,19.37 19.85,18.31 U2.48
P_L1: length 4.6
  TOP w0.203: U2.20 23.46,11.18
  BOTTOM w0.381: v1(22.99,9.91) 22.99,8.89 L1.1 22.35,8.89 v1(22.35,9.91) v1(22.99,9.91)
P_L2: length 4.5
  TOP w0.203: 24.66,11.53 U2.23
  BOTTOM w0.381: v1(25.27,9.91) 25.15,9.78 25.15,9.21 L2.1 24.38,8.7 24.38,9.78 24.51,9.91 v1(24.64,9.91) v1(25.27,9.91)
P_L3: length 2.9
  BOTTOM w0.381: 29.21,16.7 v1(29.21,17.4) v1(28.57,17.4) 28.57,16.7 L3.1 29.21,16.7
PHY_VDDCR: length 4.1
  TOP w0.254: v1(26.23,27.69) 26.21,27.69 25.83,28.06 U14.6
  BOTTOM w0.381: v1(26.23,27.69) 26.93,27.69 27.18,27.93 C134.1 C136.1
PHY_XTAL1: length 4.7
  TOP w0.121: Y3.1 27.3,25.4 v1(28.26,25.4)
  BOTTOM w0.121: R141.2 R142.1 C143.1 27.18,25.4 v1(28.26,25.4)
PHY_XTAL2: length 3.4
  TOP w0.121: v1(25.08,26.99) 24.9,27.17 24.9,27.87 24.83,27.94 U14.4
  BOTTOM w0.121: R143.1 R141.1 v1(25.08,26.99)
PHYX: length 3.7
  TOP w0.121: Y3.2 22.87,25.4 v1(21.91,25.4)
  BOTTOM w0.121: R143.2 C142.1 22.99,25.4 v1(21.91,25.4)
PMIC_INT: length 24.3
  TOP w0.121: U5.B18 37.59,21.88 37.59,20.7 36.96,20.07 v1(36.96,19.68) ; U2.45 21.86,19.35 v1(21.59,19.62)
  LYR3 w0.133: v1(36.96,19.68) 36.45,19.18 34.8,19.18 33.15,20.83 30.48,20.83 29.72,20.07 22.03,20.07 v1(21.59,19.62)
  BOTTOM w0.121: v1(21.59,19.62) R1.2
PMIC_PGOOD: length 35
  TOP w0.121: v1(26.92,12.76) 26.56,13.13 26.56,13.23 26.35,13.44 U2.26 ; v1(30.23,9.14) 30.48,8.89 31.59,8.89 31.75,9.05 U16.2 ; v1(40.92,22.81) U5.B15
  LYR3 w0.121: v1(40.92,22.81) 40.52,23.21 39.95,23.21
  LYR3 w0.133: v1(30.23,9.14) 28.7,10.67 28.7,11.81 27.75,12.76 v1(26.92,12.76) ; v1(29.21,24.38) 29.72,23.88 32,23.88 32.26,23.62 34.8,23.62 35.69,22.73 37.62,22.73 38.1,23.21 39.95,23.21
  LYR4 w0.133: v1(26.92,12.76) 28.07,13.91 28.07,23.24 v1(29.21,24.38)
